# Altium PCB pay-ssm-v4-5.PcbDoc (part 2 of 4) (continued)
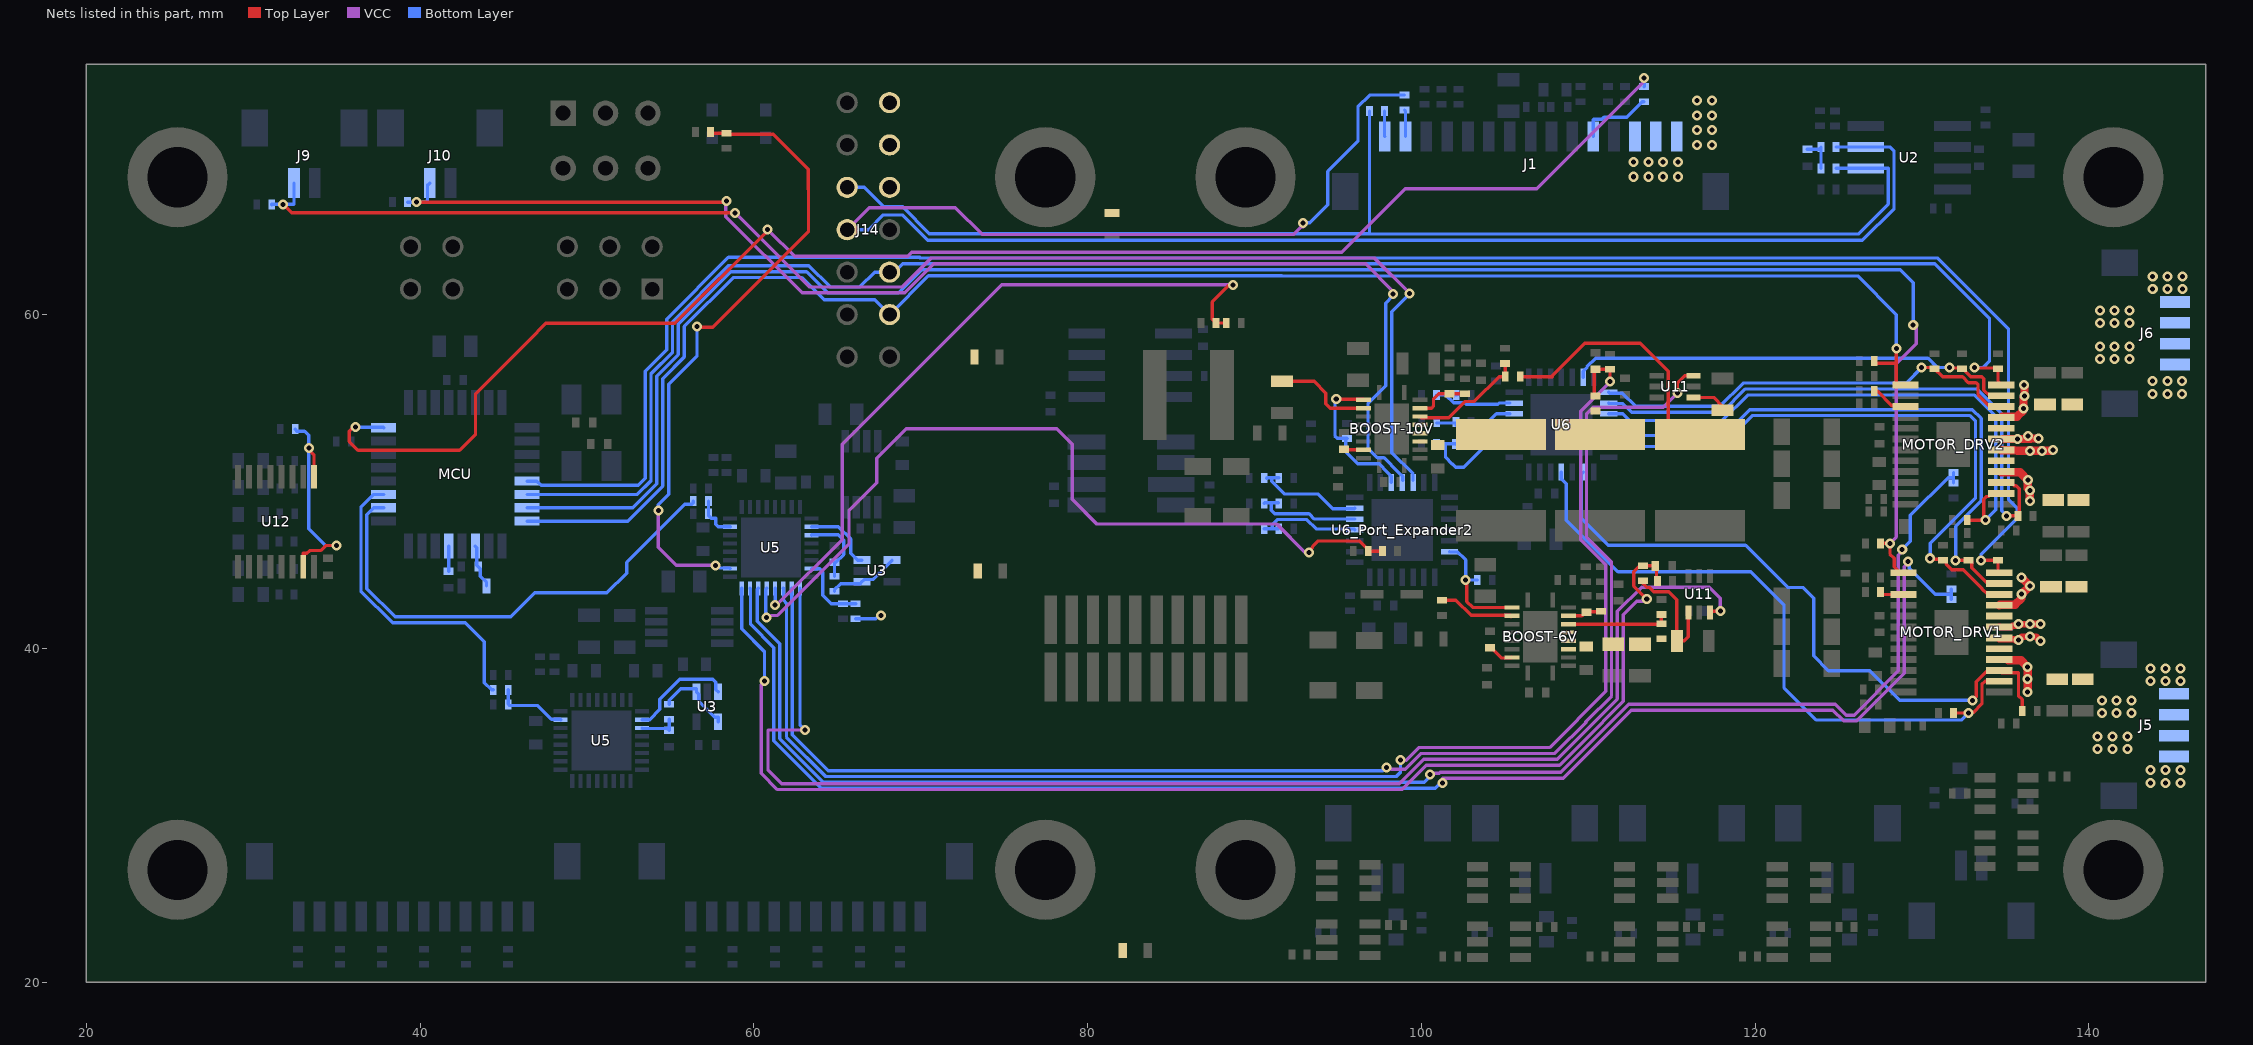
[diagram p6: the nets of this part, all layers, seen from the top]
## Part data (continued)
R80 R81 R82 R83 R84 R85: library part RES0402, "0402 resistor", Case Code (Metric)=1005, Manufacturer="TE Connectivity", Manufacturer Part Number=CRGCQ0402F330R, Max Operating Temperature=155°C, Max Power Dissipation=63mW, Min Operating Temperature=-55°C, Resistance=330R, Supplier Part Number 1=A129621CT-ND, Temperature Coefficient=100ppm/°C, Tolerance=1%, Case/Package=0402, Case Code (Imperial)=0402, Composition="Thick Film", Features="Moisture Resistant,Automotive AEC-Q200", Number of Terminations=2, Packaging="Tape and Reel", Pricing 1="1=0.1, 10=0.022, 100=0.009, 1000=0.00406, 2500=0.00352, 5000=0.00291 (USD)", Stock 1=224275, Supplier 1=Digi-Key
R88: library part RES0402, "0402 resistor", Supplier Part Number 1=52K6769, Supplier 1=Newark
R89 R93: library part RES0402, "0402 resistor", Supplier Part Number 1=541-118KLCT-ND, Supplier 1=Digi-Key
R95: library part Res1, "Resistor", Supplier Part Number 1=YAG3472CT-ND, LatestRevisionDate=17-Jul-2002, LatestRevisionNote="Re-released for DXP Platform.", PackageDescription="Axial Device, Thru-Hole; 2 Leads; 0.3 in Pin Spacing", PackageReference=AXIAL-0.3, Published=8-Jun-2000, Publisher="Altium Limited", Supplier 1=Digi-Key
RST: library part "Pushbutton - Low Profile", "Schematic symbol for a generic 2-pin pushbutton, OFF-mom.", Supplier Part Number 1=CKN10587CT-ND, Supplier 1=Digi-Key
U2: "3.3V CAN Transceiver with Standby Mode, Loop-back 8-SOIC -40 to 125", Package="SOIC-8 Texas Instruments", Supplier Part Number 1=296-14639-5-ND, Availability=Good, MF="Texas Instruments", MP=SN65HVD233D, Price="2.39 USD", SnapEDA_Link=https://www.snapeda.com/parts/SN65HVD233D/Texas%20Instruments/view-part/?ref=snap, Supplier 1=Digi-Key
U3 U3: "Low power, low noise rail-to-rail op-amp.", Supplier Part Number 1=AD8613AKSZ-REEL7CT-ND, Supplier 1=Digi-Key
U4 U4_ADC1: "Voltage Reference", Supplier Part Number 1=296-41382-1-ND, Supplier 1=Digi-Key
U5 U5: "12 bit, 12 channel analog-to-digital converter with SPI interface.", Supplier Part Number 1=296-25842-1-ND, Supplier 1=Digi-Key
U6 U6_Port_Expander2: "16 channel SPI port expander", Supplier Part Number 1=MCP23S17T-E/MLCT-ND, Supplier 1=Digi-Key
U9: "Digital 24-bit pressure sensor with SPI output. Operating range from 0-5bar, includes onboard temperature sensor and hermetic seal.", Supplier Part Number 1=824-MS580305BA01-00, ComponentLink1Description=14BA-Datasheet, ComponentLink1URL=https://www.te.com/commerce/DocumentDelivery/DDEController?Action=srchrtrv&DocNm=MS5803-14BA&DocType=Data+Sheet&DocLang=English, ComponentLink2Description=05BA-Datasheet, ComponentLink2URL=https://www.te.com/commerce/DocumentDelivery/DDEController?Action=srchrtrv&DocNm=MS5803-05BA&DocType=Data+Sheet&DocLang=English, Supplier 1=Mouser
U10: "Digital humidity/temperature sensors. +/- 3% RH, 0-100%, SPI output. Model version with filter and condensation resistant.", Supplier Part Number=480-5705-1-ND, ComponentLink1Description=Datasheet, ComponentLink1URL=https://sensing.honeywell.com/index.php?ci_id=147071, Supplier=Digi-Key, Supplier 1=Digi-Key, Supplier Part Number 1=480-5705-1-ND
U11 U11: "IC CURR SENSE 1 CIRCUIT SC70-6", Supplier Part Number 1=296-51151-1-ND, ComponentLink1Description=Datasheet, ComponentLink1URL=http://www.ti.com/general/docs/suppproductinfo.tsp?distId=10&gotoUrl=http%3A%2F%2Fwww.ti.com%2Flit%2Fgpn%2Fina213-q1, Supplier 1=Digi-Key
U12: "Hex non-inverting buffer with 3-state outputs", Supplier Part Number 1=296-33932-5-ND, Supplier 1=Digi-Key
Y1: library part AMB3B-8MHz, "8MHz Abracom 4-pin crystal.", Supplier Part Number 1=535-13456-1-ND, Supplier 1=Digi-Key

## Free pads (board coordinates)
  round 6 hole 3.6 unplated: 1(25.461,26.731) 1(25.461,68.231) 1(77.461,26.731) 1(77.461,68.231) 1(89.461,26.731) 1(89.461,68.231) 1(141.461,26.731) 1(141.461,68.231)

## Via types
v1: diameter 0.6, hole 0.3, Top Layer to Bottom Layer, tented both sides, 709 vias

## Nets (pads, with @x,y where several pads share a name; then routed paths per layer and width w, separated by ;. In a path a pad name is that pad's centre, name@x,y a point inside that pad or via, vN(x,y) a via of type N, cw(c..) or ccw(c..) an arc to the next point about the centre after c; other vN are vias at no path point)
+BATT: J1.13 J1.14 J1.15 J14.2 J14.4 J14.6 R3.1 R7.1 R37.2 R86.2 R99.2 | length 1.6
  Bottom Layer w0.2: R99.2@66.101,41.775 67.321,41.775 67.517,41.971 v1(67.625,41.971)
  other v1: 112.71,68.26 113.599,68.26 114.488,68.26 115.377,68.26 112.71,69.149 113.599,69.149 114.488,69.149 115.377,69.149 116.52,70.165 117.409,70.165 116.52,71.054 117.409,71.054 116.52,71.943 117.409,71.943 116.52,72.832 117.409,72.832
A0_Port_Expander1: R71.1@102.04,52.258 R74.2@100.908,52.258 U6.11 | length 7.2
  Bottom Layer w0.2: R74.2@100.908,52.258 101.45,52.258 ; 101.825,51.05 101.844,51.05 102.046,50.848 102.546,50.848 104.866,53.168 104.868,53.168 105.075,53.375 U6.11@105.325,53.375 ; 101.825,51.069 101.45,51.444 101.45,52.258 ; R71.1@102.075,52.225 102.042,52.258 R71.1@102.04,52.258 101.45,52.258
A0_Port_Expander2: R71.1@90.584,47.168 R74.2@91.462,47.168 U6_Port_Expander2.11 | length 6.4
  Bottom Layer w0.2: R71.1@90.584,47.168 91.075,47.168 ; 91.087,47.437 91.37,47.72 93.124,47.72 93.689,47.155 95.96,47.155 U6_Port_Expander2.11@96.015,47.1 ; 91.1,47.425 91.075,47.4 91.075,47.168 ; R74.2@91.425,47.175 91.418,47.168 91.075,47.168
A1_Port_Expander1: R70.1@102.075,53.575 R73.2@100.925,53.55 U6.12 | length 5.1
  Bottom Layer w0.2: R73.2@100.925,53.5 102.075,53.5 102.075,53.4 102.452,53.023 103.473,53.023 104.501,54.051 105.299,54.051 U6.12@105.3,54.05
A1_Port_Expander2: R70.1@90.584,48.692 R73.2@91.462,48.692 U6_Port_Expander2.12 | length 6.5
  Bottom Layer w0.2: R70.1@90.584,48.692 90.617,48.725 91,48.725 R73.2@91.425,48.725 ; 91,48.675 91,48.275 91.202,48.073 93.27,48.073 93.592,47.75 U6_Port_Expander2.12@96.015,47.75
A2_Port_Expander1: R69.1@102.098,55.179 R72.2@100.908,55.179 U6.13 | length 5.3
  Bottom Layer w0.2: R72.2@100.908,55.179 101.475,55.179 ; R69.1@102.1,55.2 102.079,55.179 101.475,55.179 ; U6.13@105.299,54.701 104.663,54.701 104.589,54.627 102.693,54.627 102.593,54.727 101.927,54.727 101.475,55.179
A2_Port_Expander2: R69.1@90.584,50.216 R72.2@91.462,50.216 U6_Port_Expander2.13 | length 6.7
  Bottom Layer w0.2: R69.1@90.775,50.2 90.725,50.2 90.75,50.225 91.025,50.225 91.453,50.225 R72.2@91.462,50.216 ; 91.025,50.2 91.025,50.012 91.784,49.252 93.804,49.252 94.681,48.375 95.99,48.375 U6_Port_Expander2.13@96.015,48.4
A_PHASE_MOT1: MCU.15 MOTOR_DRV1.13 R60.2@127.511,46.289 | length 114.2
  Top Layer w0.2: R60.2@127.511,46.289 v1(128.077,46.289) 128.077,45.654 128.331,45.4 128.331,44.889 128.69,44.53 MOTOR_DRV1.13@128.89,44.53
  VCC w0.2: v1(128.077,46.289) 128.458,46.67 128.458,57.065 129.645,58.252 129.645,59.199 v1(129.474,59.37)
  Bottom Layer w0.2: MCU.15@46.416,48.423 52.741,48.423 54.192,49.874 54.192,56.317 55.482,57.607 55.482,59.437 58.619,62.574 63.158,62.574 64.426,61.305 68.671,61.305 70.053,62.687 93.238,62.687 93.239,62.688 128.696,62.688 129.474,61.91 v1@129.474,59.497
A_PHASE_MOT2: J14.12 MCU.16 MOTOR_DRV2.13 R60.2@127.13,57.211 | length 101.8
  Top Layer w0.2: R60.2@127.13,57.211 127.13,57.184 127.23,57.084 128.363,57.084 ; v1(128.458,57.973) 128.458,55.789 MOTOR_DRV2.13@129.006,55.789
  Bottom Layer w0.2: MCU.16@46.416,47.623 52.439,47.623 54.544,49.728 54.544,56.169 55.834,57.459 55.834,59.291 58.765,62.221 62.888,62.221 64.215,60.894 67.244,60.894 J14.12@68.133,60.005 70.462,62.334 91.633,62.334 91.651,62.316 126.147,62.316 128.458,60.005 v1(128.458,57.973)
ADC1_CS_N: MCU.26 R19.1@56.38,48.829 | length 29.2
  Bottom Layer w0.2: MCU.26@37.816,48.423 37.234,48.423 36.814,48.003 36.814,43.572 38.5,41.885 45.432,41.885 46.375,42.828 46.375,42.838 46.86,43.324 51.198,43.324 52.385,44.511 52.385,45.146 55.868,48.629 56.28,48.629 56.38,48.729 R19.1@56.38,48.829
ADC2_CS_N: MCU.27 R19.1@44.389,37.512 | length 18.5
  Bottom Layer w0.2: MCU.27@37.816,49.223 37.234,49.223 36.461,48.45 36.461,43.426 38.354,41.533 42.717,41.533 43.85,40.4 43.85,37.95 44.288,37.512 R19.1@44.389,37.512
ADC_AINP_ADC1: C11.2@64.831,45.146 R21.2@64.831,44.326 U5.3@63.456,46.785 | length 4.5
  Bottom Layer w0.2: U5.3@63.456,46.785 63.478,46.807 65.052,46.807 65.383,46.476 65.383,45.623 64.906,45.146 C11.2@64.831,45.146 R21.2@64.831,44.326
ADC_AINP_ADC2: C11.2@54.925,35.097 R21.2@54.925,35.748 U5.3@53.296,35.228 | length 2.3
  Bottom Layer w0.2: U5.3@53.296,35.228 53.326,35.198 54.824,35.198 C11.2@54.925,35.097 R21.2@54.925,35.748
ADC_BUF_OUT_ADC1: R21.1@64.831,43.426 U3.1@66.482,43.988 U3.4@68.282,45.288 | length 4.3
  Bottom Layer w0.2: R21.1@64.831,43.426 64.831,43.502 65.202,43.874 66.368,43.874 U3.1@66.482,43.988 66.617,44.123 67.117,44.123 U3.4@68.282,45.288
ADC_BUF_OUT_ADC2: R21.1@54.925,36.648 U3.1@56.561,37.399 U3.4@57.861,35.599 | length 4.8
  Bottom Layer w0.2: R21.1@54.925,36.648 54.925,36.891 55.608,37.574 56.561,37.574 U3.1@56.561,37.399 56.696,37.264 56.696,36.822 57.654,35.864 57.861,35.864 U3.4@57.861,35.599
ADC_CH3_ADC1: R42.1 R78_MOT_DRV1.2 U5.15@59.771,43.6 | length 93.4
  VCC w0.2: v1(101.28,31.938) 101.28,32.144 v1@101.357,32.221 ; v1@101.28,32.221 v1@101.357,32.221 ; v1(129.157,45.21) 129.157,45.101 128.937,44.882 128.937,38.504 126.083,35.65 125.302,35.65 124.652,36.3 112.579,36.3 108.499,32.221 v1@101.357,32.221
  Bottom Layer w0.2: U5.15@59.771,43.6 59.802,43.569 59.802,41.44 61.192,40.05 61.192,34.453 64.027,31.618 100.83,31.618 v1@101.36,32.148 ; v1(129.157,45.21) 129.233,45.133 129.233,44.796 130.788,43.241 131.76,43.241 ; R78_MOT_DRV1.2@131.76,42.929 131.76,43.241 ; R42.1@131.76,43.553 131.76,43.241
ADC_CH4_ADC1: R43.1 R78_MOT_DRV2.2 U5.14@60.271,43.6 | length 94.5
  VCC w0.2: v1(100.518,32.446) 100.595,32.523 101.084,32.523 101.134,32.573 108.353,32.573 112.433,36.652 124.798,36.652 125.448,36.002 125.937,36.002 128.585,38.65 128.585,45.594 128.815,45.824 v1(128.815,45.932)
  Bottom Layer w0.2: U5.14@60.271,43.6 60.215,43.544 60.215,41.615 61.545,40.285 61.545,34.599 64.173,31.97 100.182,31.97 v1@100.391,32.18 ; v1(128.815,45.932) 129.303,46.42 129.303,47.971 131.558,50.226 131.887,50.226 ; R43.1@131.887,49.914 131.887,50.226 ; R78_MOT_DRV2.2@131.887,50.538 131.887,50.226
ADC_MXO_ADC1: U3.3@66.482,45.288 U5.2@63.456,47.285 | length 4.4
  Bottom Layer w0.2: U5.2@63.456,47.285 65.072,47.285 65.803,46.555 65.803,45.702 66.217,45.288 U3.3@66.482,45.288
ADC_MXO_ADC2: U3.3@57.861,37.399 U5.2@53.296,35.728 | length 6.5
  Bottom Layer w0.2: U5.2@53.296,35.728 53.757,35.728 54.373,36.343 54.373,36.954 55.57,38.151 57.551,38.151 57.726,37.976 57.726,37.534 U3.3@57.861,37.399
ADECAY_MOTOR_DRV1: MOTOR_DRV1.3 R62.2@136.009,36.256 U6.2 | length 39.2
  Top Layer w0.2: v1(133.03,36.891) 133.24,37.101 133.24,37.99 133.93,38.68 MOTOR_DRV1.3@134.63,38.68 134.776,38.534 135.78,38.534 135.78,37.17 136.009,36.941 R62.2@136.009,36.256
  Bottom Layer w0.2: U6.2@109.692,50.566 109.6,50.474 109.6,47.772 111.194,46.178 119.425,46.178 121.952,43.651 122.861,43.651 123.505,43.006 123.505,39.558 124.394,38.669 126.88,38.669 128.658,36.891 v1(133.03,36.891)
ADECAY_MOTOR_DRV2: MOTOR_DRV2.3 R62.2@135.755,47.94 U6.23 | length 34.8
  Top Layer w0.2: MOTOR_DRV2.3@134.746,49.939 135.326,49.939 135.519,49.746 135.636,49.746 135.824,49.558 135.824,48.009 R62.2@135.755,47.94 v1(135.062,47.94)
  Bottom Layer w0.2: U6.23@111.227,54.701 111.257,54.671 112.075,54.671 112.599,54.147 118.023,54.147 119.42,55.544 133.28,55.544 134.77,54.054 134.77,48.232 v1(135.062,47.94)
AENBL_MOTOR_DRV1: MOTOR_DRV1.10 R58.2@131.252,45.273 U6.27 | length 37.4
  Top Layer w0.2: v1(130.49,45.4) 130.554,45.337 131.189,45.337 R58.2@131.252,45.273 131.352,45.273 131.452,45.173 131.452,45.054 131.785,44.721 132.478,44.721 133.593,43.606 133.593,43.57 133.933,43.23 MOTOR_DRV1.10@134.63,43.23
  Bottom Layer w0.2: U6.27@111.227,52.101 117.97,52.101 119.822,53.953 132.878,53.953 133.201,53.63 133.201,49 130.49,46.289 v1(130.49,45.4)
AENBL_MOTOR_DRV2: MOTOR_DRV2.10 R58.2@130.744,56.761 U6.22 | length 26.2
  Top Layer w0.2: v1(129.982,56.83) 130.675,56.83 R58.2@130.744,56.761 131.227,56.278 132.43,56.278 132.782,55.925 133.239,55.925 133.356,55.808 133.356,55.182 134.049,54.489 MOTOR_DRV2.10@134.746,54.489
  Bottom Layer w0.2: U6.22@111.227,55.351 111.292,55.286 112.047,55.286 112.833,54.5 117.877,54.5 119.274,55.897 129.049,55.897 v1(129.982,56.83)
AISEN_MOTOR_DRV1: MOTOR_DRV1.5 R56.2@138.11,38.156 R57.2@139.634,38.156
AISEN_MOTOR_DRV2: MOTOR_DRV2.5 R56.2@137.856,48.89 R57.2@139.38,48.89
AOUT1_MOTOR_DRV1: J5.3 MOTOR_DRV1.4 | length 2.8
  Top Layer w0.5: MOTOR_DRV1.4@135.165,39.287 135.941,39.287 v1(136.332,38.896) v1(136.332,38.161) v1(136.332,37.399)
  other v1: 140.523,33.97 141.412,33.97 142.301,33.97 140.523,34.732 141.412,34.732 142.301,34.732
AOUT1_MOTOR_DRV2: J6.4 MOTOR_DRV2.4 | length 3.1
  Top Layer w0.5: MOTOR_DRV2.4@134.746,50.546 135.885,50.546 136.332,50.099 v1(136.34,50.099) 136.34,49.583 v1(136.459,49.464) v1(136.459,48.829)
  other v1: 143.811,55.25 144.7,55.25 145.589,55.25 143.811,56.012 144.7,56.012 145.589,56.012
AOUT2_MOTOR_DRV1: J5.4 MOTOR_DRV1.6 | length 2.7
  Top Layer w0.4: MOTOR_DRV1.6@134.63,40.537 135.561,40.537 135.606,40.492 v1(135.779,40.492) 135.988,40.701 v1(136.459,40.701) 136.84,40.701 v1(137.094,40.447)
  other v1: 143.698,31.938 144.587,31.938 145.476,31.938 143.698,32.7 144.587,32.7 145.476,32.7
AOUT2_MOTOR_DRV2: J6.3 MOTOR_DRV2.6 | length 2.9
  Top Layer w0.5: MOTOR_DRV2.6@134.758,51.877 134.76,51.879 MOTOR_DRV2.6@135.52,51.879 ; 135.698,51.846 135.707,51.837 137.816,51.837 v1(137.856,51.877)
  other v1: 136.457,51.828 137.175,51.825 140.65,57.338 141.539,57.338 142.428,57.338 140.65,58.1 141.539,58.1 142.428,58.1
AREF: C4.2 MCU.21 | length 1.5
  Bottom Layer w0.2: MCU.21@41.716,46.123 C4.2@41.717,44.63 C4.2@41.717,44.63
AVCC: C3.2 L1.2 MCU.19 | length 2.7
  Bottom Layer w0.2: MCU.19@43.316,46.123 43.398,46.041 43.398,44.973 43.604,44.767 43.604,44.328 43.983,43.949 L1.2@43.983,43.749
B_PHASE_MOT1: MCU.13 MOTOR_DRV1.12 R61.2@134.554,45.273 | length 117.9
  Top Layer w0.2: v1(133.538,45.273) R61.2@134.554,45.273 134.554,44.606 MOTOR_DRV1.12@134.63,44.53
  Bottom Layer w0.2: MCU.13@46.416,50.023 47,50.023 47.25,49.773 53.075,49.773 53.487,50.185 53.487,56.609 54.777,57.899 54.777,59.729 58.481,63.432 69.942,63.432 69.982,63.392 92.946,63.392 92.947,63.393 130.912,63.393 135.183,59.122 135.183,48.905 135.697,48.391 135.697,47.794 133.538,45.635 v1(133.538,45.273)
B_PHASE_MOT2: J14.10 MCU.14 MOTOR_DRV2.12 R61.2@134.554,56.761 | length 106.7
  Top Layer w0.2: v1(133.157,56.83) 133.192,56.795 134.52,56.795 R61.2@134.554,56.761 134.554,55.981 MOTOR_DRV2.12@134.746,55.789
  Bottom Layer w0.2: MCU.14@46.416,49.223 53.023,49.223 53.839,50.039 53.839,56.463 55.13,57.753 55.13,59.583 58.473,62.926 63.304,62.926 64.572,61.658 66.357,61.658 67.244,62.545 J14.10@68.133,62.545 68.423,62.545 68.917,63.039 93.092,63.039 93.093,63.04 130.757,63.04 134.046,59.751 134.046,57.221 133.655,56.83 v1(133.157,56.83)
BATT_VOLT_MON: R99.1 R100.2 U5.7@63.456,44.785 | length 4.3
  Bottom Layer w0.2: U5.7@63.456,44.785 63.476,44.765 63.952,44.765 64.137,44.579 64.137,43.173 64.635,42.675 R100.2@65.339,42.675 R99.1@66.101,42.675
BDECAY_MOTOR_DRV1: MOTOR_DRV1.2 R63.2@131.887,36.129 U6.4 | length 39.3
  Top Layer w0.2: R63.2@131.887,36.129 v1(132.776,36.129) 132.803,36.156 133.076,36.156 133.593,36.672 133.593,37.844 133.778,38.03 MOTOR_DRV1.2@134.63,38.03
  Bottom Layer w0.2: U6.4@108.392,50.566 108.392,50.174 108.69,49.876 108.69,47.685 111.781,44.594 119.739,44.594 121.727,42.606 121.727,37.653 123.676,35.704 132.351,35.704 v1(132.776,36.129)
BDECAY_MOTOR_DRV2: MOTOR_DRV2.2 R63.2@132.718,47.686 U6.24 | length 34.5
  Top Layer w0.2: R63.2@132.718,47.686 v1@133.709,47.686 ; v1(133.792,47.686) 133.792,47.794 133.709,47.878 133.709,48.949 133.856,49.096 133.973,49.096 134.166,49.289 MOTOR_DRV2.2@134.746,49.289
  Bottom Layer w0.2: U6.24@111.227,54.051 112.06,54.051 112.456,53.655 118.029,53.655 119.553,55.179 133.147,55.179 134.418,53.909 134.418,48.312 v1(133.792,47.686)
BENBL_MOTOR_DRV1: MOTOR_DRV1.11 R59.2@132.776,45.273 U6.26 | length 35.7
  Top Layer w0.2: v1(132.014,45.273) R59.2@132.776,45.273 132.876,45.273 132.976,45.173 132.976,44.837 133.933,43.88 MOTOR_DRV1.11@134.63,43.88
  Bottom Layer w0.2: U6.26@111.227,52.751 118.121,52.751 119.676,54.306 133.024,54.306 133.554,53.776 133.554,48.845 132.014,47.305 v1(132.014,45.273)
BENBL_MOTOR_DRV2: MOTOR_DRV2.11 R59.2@132.395,56.761 U6.20 | length 27.1
  Top Layer w0.2: v1(131.633,56.83) 131.668,56.795 132.361,56.795 R59.2@132.395,56.761 132.495,56.761 132.595,56.661 132.595,56.611 132.928,56.278 133.591,56.278 133.709,56.16 133.709,55.479 134.049,55.139 MOTOR_DRV2.11@134.746,55.139
  Bottom Layer w0.2: U6.20@109.692,56.236 109.692,56.591 109.925,56.824 109.925,56.861 110.446,57.382 130.363,57.382 130.915,56.83 v1(131.633,56.83)
BISEN_MOTOR_DRV1: MOTOR_DRV1.8 R54.2@139.253,43.688 R55.2@137.729,43.688
BISEN_MOTOR_DRV2: MOTOR_DRV2.8 R54.2@138.999,54.61 R55.2@137.374,54.61
BOOST6_CURR_MON: U5.9@62.771,43.6 U11.6@117.297,42.141 | length 80.3
  Top Layer w0.2: U11.6@117.297,42.141 117.297,42.15 117.372,42.225 v1(117.917,42.225)
  VCC w0.2: v1(63.053,35.113) 60.894,35.113 60.85,35.069 60.85,32.725 61.681,31.894 98.686,31.894 100.143,33.351 108.135,33.351 109.304,34.52 109.407,34.623 111.748,36.964 111.748,42.223 113.191,43.666 117.257,43.666 117.917,43.006 v1(117.917,42.225)
  Bottom Layer w0.2: U5.9@62.771,43.6 62.771,35.395 v1(63.053,35.113)
BOOST6_EN: BOOST-6V.2 R98.2 U6_Port_Expander2.27 | length 7.3
  Top Layer w0.2: v1(102.65,44.1) 102.721,44.029 102.721,42.806 103.076,42.451 BOOST-6V.2@105.437,42.451
  Bottom Layer w0.2: U6_Port_Expander2.27@101.685,45.8 101.715,45.77 102.18,45.77 102.562,45.388 102.65,45.3 v1(102.65,44.1) v1@102.65,44.075 ; v1@102.625,44.05 v1@102.65,44.075 ; R98.2@103.35,44.1 102.675,44.1 v1@102.65,44.075
BOOST6_OUT: BOOST-6V.14 BOOST-6V.15 BOOST-6V.16 C35.2 C50.2 C58.2 R87.1 R89.2 R91.2 U11.4@115.997,42.141 | length 7
  Top Layer w0.2: R91.2@113.275,44.05 113.275,43.9 113.53,43.645 113.68,43.645 113.925,43.4 114.814,43.4 115.3,42.914 115.3,40.875 R87.1@115.4,40.775 ; R87.1@115.316,40.447 115.758,40.447 115.997,40.686 U11.4@115.997,42.141
BOOST6_TEMP: R41.1 R78_BST6V.2 U5.13@60.771,43.6 | length 50.8
  Top Layer w0.2: v1(93.275,45.75) 93.275,45.858 93.477,46.06 93.477,46.106 93.801,46.43 96.32,46.43 R41.1@96.8,45.95 ; R41.1@96.825,45.825 R78_BST6V.2@97.675,45.825 R78_BST6V.2@97.7,45.85
  VCC w0.2: v1(60.767,41.844) 60.894,41.971 61.421,41.971 65.7,46.25 65.7,48.25 67.371,49.921 67.371,51.396 69.127,53.152 78.148,53.152 79.071,52.229 79.071,48.929 80.548,47.452 91.323,47.452 93.025,45.75 v1(93.275,45.75)
  Bottom Layer w0.2: v1@60.723,41.997 60.723,43.552 U5.13@60.771,43.6
BOOST6_VOLT_DIV: BOOST-6V.17 R89.1 R93.2 | length 6
  Top Layer w0.2: BOOST-6V.17@108.85,41.45 114.3,41.45 R89.1@114.35,41.5 ; R89.1@114.375,41.475 R93.2@114.375,41.975
BOOST6_VOLT_MON: C52.2 R91.1 R94.2 U5.16@59.271,43.6 | length 77.6
  Top Layer w0.2: v1@113.475,43 113.458,43 112.723,43.735 112.723,44.598 113.075,44.95 R91.1@113.275,44.95 114.05,44.95 C52.2@114.075,44.925 ; v1@113.55,42.975 v1@113.582,43.007 ; C52.2@114.025,44.925 114.087,44.863 114.087,44.038 R94.2@114.15,43.975 ; R94.2@114.15,43.95 R94.2@114.15,43.975 ; R94.2@114.15,44.05 R94.2@114.15,43.975
  VCC w0.2: v1(60.64,38.034) 60.44,37.834 60.44,32.519 61.418,31.541 98.832,31.541 100.289,32.998 108.28,32.998 109.656,34.374 112.1,36.818 112.1,42.025 112.904,42.829 113.382,42.829 v1(113.506,42.952)
  Bottom Layer w0.2: U5.16@59.271,43.6 59.271,41.181 60.64,39.812 v1(60.64,38.034)
BOOST10_CURR_MON: U5.10@62.271,43.6 U11.6@116.307,56.337 | length 86.1
  Top Layer w0.2: v1(115.356,55.303) 115.327,55.332 115.327,55.886 115.777,56.337 U11.6@116.307,56.337
  VCC w0.2: v1(97.9,32.875) 98.027,32.748 99.042,32.748 99.997,33.703 107.989,33.703 109.9,35.615 109.9,35.65 ; 109.85,35.6 109.9,35.65 ; v1(115.356,55.303) 114.503,54.45 110.297,54.45 109.9,54.053 109.9,46.65 111.395,45.155 111.395,37.145 109.9,35.65
  Bottom Layer w0.2: U5.10@62.271,43.6 62.281,43.59 62.281,42.88 62.307,42.854 62.307,34.834 64.465,32.675 97.7,32.675 v1(97.9,32.875)
BOOST10_EN: BOOST-10V.2 R97.2 U6_Port_Expander2.17 | length 9.1
  Top Layer w0.2: v1(94.9,54.95) 94.927,54.923 96.521,54.923 BOOST-10V.2@96.547,54.897
  Bottom Layer w0.2: v1@94.925,54.925 94.825,54.825 94.825,52.725 94.95,52.6 95.475,52.6 95.525,52.6 R97.2@95.55,52.575 ; R97.2@95.475,52.5 95.475,51.78 96.195,51.06 97.467,51.06 97.967,50.56 97.967,50.558 98.2,50.325 U6_Port_Expander2.17@98.2,49.935
BOOST10_TEMP: R36.1 R78_BST10V.2 U5.12@61.271,43.6 | length 43.3
  Top Layer w0.2: R78_BST10V.2@88.315,59.497 R36.1@87.691,59.497 87.475,59.713 87.475,60.756 88.501,61.782 v1(88.707,61.782)
  VCC w0.2: v1(61.275,42.606) 61.382,42.606 65.3,46.524 65.3,52.223 74.859,61.782 v1(88.707,61.782)
  Bottom Layer w0.2: U5.12@61.271,43.6 61.275,43.596 v1(61.275,42.606)
BOOST10_VOLT_MON: C30.2 R32.1 R35.2 U5.11@61.771,43.6 | length 84.7
  Top Layer w0.2: C30.2@110.35,56.7 110.35,55.195 R32.1@110.424,55.121 ; C30.2@110.424,56.711 110.431,56.718 R35.2@111.305,56.718 ; v1@111.3,55.975 111.305,55.98 R35.2@111.305,56.718 ; R35.2@111.3,56.725 111.305,56.72 R35.2@111.305,56.718
  VCC w0.2: v1(98.75,33.3) 99.096,33.3 99.851,34.056 107.681,34.056 111.043,37.418 111.043,45.009 109.548,46.504 109.548,54.22 v1(111.305,55.978)
  Bottom Layer w0.2: U5.11@61.771,43.6 61.782,43.589 61.782,42.88 61.954,42.708 61.954,34.688 64.319,32.323 98.498,32.323 98.75,32.575 v1(98.75,33.3)
BOOST_OUT: BOOST-10V.14 BOOST-10V.15 BOOST-10V.16 C21.2 C24.2 C28.2 C57.2 R28.1 R30.2 R32.2 U11.4@116.307,55.037 | length 17.6
  Top Layer w0.2: R30.2@105.925,56.3 105.95,56.275 107.85,56.275 ; 107.85,56.325 109.8,58.275 113.126,58.275 114.784,56.617 114.784,53.653 115.624,52.813 C24.2@116.7,52.813 ; U11.4@116.307,55.037 117.513,55.037 R28.1@118.062,54.488
BOOST_VOLT_DIV: BOOST-10V.17 R30.1 R34.2 | length 6.9
  Top Layer w0.2: BOOST-10V.17@99.917,53.897 99.989,53.825 100.98,53.825 100.983,53.823 101.654,53.823 102.629,54.798 103.18,54.798 104.657,56.275 R30.1@104.965,56.275 ; R30.1@105.025,56.3 R34.2@105.025,57.075
BOOT: BOOST-10V.8 C19.2 | length 1.2
  Top Layer w0.2: C19.2@95.375,51.925 95.389,51.911 96.539,51.911 BOOST-10V.8@96.575,51.875
BOOT6: BOOST-6V.8 C31.1 | length 1.6
  Top Layer w0.2: C31.1@104.1,40.025 104.175,40.025 104.775,39.425 105.35,39.425 BOOST-6V.8@105.4,39.475
BOT_SW1_IRQ: J9.2 R46.1 U6_Port_Expander2.19 | length 86
  Top Layer w0.2: v1(31.796,66.609) 32.305,66.1 v1(58.875,66.1)
  VCC w0.2: v1(58.875,66.1) 63.317,61.658 68.908,61.658 70.642,63.392 97.183,63.392 99.3,61.275 v1(99.3,61.25)
  Bottom Layer w0.2: R46.1@31.118,66.609 31.118,66.582 31.145,66.609 v1(31.796,66.609) 32.446,66.609 J9.2@32.446,67.879 ; v1(99.3,61.25) 98.225,60.175 98.225,51.725 99.5,50.45 U6_Port_Expander2.19@99.5,50.075
BOT_SW2_IRQ: J10.2 R47.1 U6_Port_Expander2.18 | length 78.2
  Top Layer w0.2: v1(39.788,66.736) 58.286,66.736 v1(58.35,66.8)
  VCC w0.2: v1(58.35,66.8) 58.323,66.773 58.323,65.871 62.889,61.305 69.054,61.305 70.788,63.039 96.661,63.039 98.3,61.4 v1(98.3,61.225)
  Bottom Layer w0.2: R47.1@39.246,66.736 v1(39.788,66.736) 40.33,66.736 40.447,66.853 40.447,67.752 J10.2@40.574,67.879 ; v1(98.3,61.225) 98.3,61.117 97.873,60.689 97.873,55.723 96.8,54.65 96.8,51.983 97.371,51.412 97.765,51.412 98.617,50.56 98.617,50.558 98.875,50.3 U6_Port_Expander2.18@98.875,50.075
BOUT1_MOTOR_DRV1: J5.1 MOTOR_DRV1.9 | length 3.2
  Top Layer w0.5: MOTOR_DRV1.9@134.63,42.58 134.673,42.623 135.582,42.623 135.951,42.992 v1(135.951,43.243) v1(136.459,43.749) v1(135.951,44.257) ; v1(136.459,43.749) v1@136.459,43.751
  other v1: 143.698,38.034 144.587,38.034 145.476,38.034 143.698,38.796 144.587,38.796 145.476,38.796
BOUT1_MOTOR_DRV2: J6.2 MOTOR_DRV2.9 | length 3
  Top Layer w0.5: MOTOR_DRV2.9@134.789,53.882 135.698,53.882 136.078,54.262 v1(136.078,54.364) 136.078,55.052 v1(136.142,55.116) 136.142,55.751 v1(136.11,55.782)
  other v1: 140.65,59.497 141.539,59.497 142.428,59.497 140.65,60.259 141.539,60.259 142.428,60.259
BOUT2_MOTOR_DRV1: J5.2 MOTOR_DRV1.7 | length 2.5
  Top Layer w0.4: MOTOR_DRV1.7@134.63,41.28 134.635,41.275 135.348,41.275 135.427,41.353 135.683,41.353 v1(135.783,41.453) 136.449,41.453 v1(136.459,41.463) v1(137.094,41.463)
  other v1: 140.777,36.129 141.666,36.129 142.555,36.129 140.777,36.891 141.666,36.891 142.555,36.891
BOUT2_MOTOR_DRV2: J6.1 MOTOR_DRV2.7 | length 2.2
  Top Layer w0.5: MOTOR_DRV2.7@134.831,52.539 134.841,52.549 v1(135.736,52.549) v1@136.525,52.549 ; v1@136.5,52.575 136.979,52.575 v1(136.982,52.578)
  other v1: 136.35,52.725 143.825,61.529 144.714,61.529 145.603,61.529 143.825,62.291 144.714,62.291 145.603,62.291
BUF_EN_N: R79.2 U12.1 U12.15 | length 13.5
  Top Layer w0.2: U12.15@32.999,44.892 32.999,45.697 33.222,45.697 33.389,45.864 34.038,45.864 34.337,46.162 v1(34.986,46.162) ; v1(33.335,52.004) 33.335,51.896 33.649,51.582 U12.1@33.649,50.292
  Bottom Layer w0.2: R79.2@32.515,53.147 32.515,53.12 32.615,53.02 33.081,53.02 33.335,52.766 v1(33.335,52.004) 33.335,47.178 34.351,46.162 v1(34.986,46.162)
CAN_CM_F: C9.2 R12.1 R16.1 | length 2.1
  Bottom Layer w0.2: C9.2@123.124,69.903 123.844,69.903 R16.1@123.944,70.003 ; R12.1@123.944,68.768 R16.1@123.944,70.003 ; R16.1@123.944,70.038 R16.1@123.944,70.003
CANH: J14.7 R2.2 R16.2 U2.7 | length 111.9
  VCC w0.2: J14.7@65.593,65.085 66.908,66.4 72.075,66.4 73.674,64.801 92.36,64.801 92.809,65.25 v1@92.925,65.25
  Bottom Layer w0.2: J14.7@65.593,65.085 66.878,65.085 67.765,65.972 68.897,65.972 70.42,64.449 92.509,64.449 92.509,64.45 126.426,64.45 128.325,66.349 128.325,69.8 128.087,70.038 U2.7@126.62,70.038 R16.2@124.844,70.038 ; v1(92.9,65.5) 93.325,65.5 94.395,66.57 94.395,68.578 94.542,68.725 94.55,68.725 96.2,70.375 96.2,72.451 96.904,73.155 R2.2@98.994,73.155
CANH_R: J1.2 R2.1 | length 1.6
  Bottom Layer w0.2: R2.1@98.994,72.255 99.047,72.202 J1.2@99.047,70.673
CANL: J14.5 R1.2 R12.2 U2.6 | length 76.9
  Bottom Layer w0.2: J14.5@65.593,67.625 66.609,67.625 67.752,66.482 68.885,66.482 70.517,64.85 96.893,64.85 R1.2@96.893,72.197 ; 96.925,64.825 126.174,64.825 127.972,66.623 127.972,68.768 U2.6@126.62,68.768 R12.2@124.844,68.768
CANL_R: J1.1 R1.1 | length 1.5
  Bottom Layer w0.2: R1.1@97.793,72.197 97.793,70.677 J1.1@97.797,70.673
COMP: BOOST-10V.18 C29.2 R33.2 | length 3.3
  Top Layer w0.2: BOOST-10V.18@99.917,54.397 100.608,54.397 100.725,54.514 100.725,54.925 101.05,55.25 101.6,55.25 C29.2@101.65,55.2 ; C29.2@101.7,55.25 R33.2@102.625,55.25 R33.2@102.65,55.25
COMP6: BOOST-6V.18 C51.2 R92.2 | length 2
  Top Layer w0.2: BOOST-6V.18@108.807,41.951 109.626,41.951 109.75,42.075 C51.2@109.825,42.075 ; C51.2@109.9,42.15 109.938,42.188 110.813,42.188 R92.2@110.825,42.2
CONFIG_MOTOR_DRV1: MOTOR_DRV1.15 R51.1@127.511,43.368 | length 1.5
  Top Layer w0.2: R51.1@127.511,43.368 127.511,43.33 127.611,43.23 MOTOR_DRV1.15@128.89,43.23
CONFIG_MOTOR_DRV2: MOTOR_DRV2.15 R51.1@127.13,55.433 | length 2.3
  Top Layer w0.2: R51.1@127.13,55.433 127.305,55.433 128.196,54.542 128.953,54.542 MOTOR_DRV2.15@129.006,54.489
CS_N_R_ADC1: R19.2@57.28,48.829 R24.1@57.28,48.067 U5.23@58.586,47.285 | length 2.7
  Bottom Layer w0.2: R19.2@57.28,48.829 R24.1@57.28,48.067 57.28,47.967 57.452,47.795 57.719,47.795 57.719,47.432 57.866,47.285 U5.23@58.586,47.285
CS_N_R_ADC2: R19.2@45.289,37.512 R24.1@45.289,36.623 U5.23@48.426,35.728 | length 4.3
  Bottom Layer w0.2: R19.2@45.289,37.512 45.289,36.686 R24.1@45.3,36.675 ; R24.1@45.35,36.575 47.057,36.575 47.874,35.758 48.396,35.758 U5.23@48.426,35.728
EPS_RST: MCU.32 R10.2 | length 93.1
  Top Layer w0.2: v1(36.129,53.274) 36.021,53.274 35.757,53.01 35.757,52.395 36.281,51.871 42.365,51.871 43.327,52.833 43.327,55.265 46.53,58.468 46.53,58.478 47.529,59.476 55.276,59.476 60.718,64.918 60.751,64.918 60.833,65 v1@60.85,65
  VCC w0.2: v1@60.9,65.025 60.906,65.025 62.438,63.493 69.216,63.493 69.467,63.744 95.24,63.744 99.038,67.542 106.912,67.542 113.35,73.98 v1(113.35,74.175)
  Bottom Layer w0.2: v1(36.129,53.274) 36.155,53.248 37.791,53.248 MCU.32@37.816,53.223 ; R10.2@113.345,73.663 113.35,73.668 v1(113.35,74.175)
  other v1: 60.828,65.103
EPS_RST_R: J1.11 R10.1 | length 4.5
  Bottom Layer w0.2: J1.11@110.297,70.673 110.297,71.671 110.327,71.702 110.818,71.702 110.941,71.825 112.307,71.825 113.245,72.763 R10.1@113.345,72.763
FSW: BOOST-10V.3 R26.1 | length 5.9
  Top Layer w0.2: R26.1@91.65,56 93.575,56 94.275,55.3 94.275,54.663 94.541,54.397 BOOST-10V.3@96.547,54.397
FSW6: BOOST-6V.3 R39.1 | length 4.6
  Top Layer w0.2: R39.1@101.225,42.875 102.075,42.875 102.975,41.975 105.3,41.975 BOOST-6V.3@105.375,41.9
GEN_THM: R76.1 R78_AmbientTemp.2 U5.18@58.586,44.785 | length 38.6
  Top Layer w0.2: v1(56.6,59.275) 56.627,59.248 57.554,59.248 63.275,64.969 63.275,67.487 63.263,67.5 63.263,68.7 61.163,70.8 58.423,70.8 R76.1@58.354,70.869 57.465,70.869 R78_AmbientTemp.2@57.407,70.927
  VCC w0.2: v1@54.275,48.1 54.275,46.05 55.347,44.978 v1(57.714,44.978) v1@57.75,45.015 ; v1(56.6,59.275) v1@56.663,59.212
  Bottom Layer w0.2: v1(54.275,48.25) 54.275,48.6 54.896,49.221 54.896,55.821 56.6,57.525 v1(56.6,59.275) ; v1(57.714,44.978) 57.822,44.978 57.985,44.815 58.556,44.815 U5.18@58.586,44.785